# Altium PCB NG2093.PcbDoc (part 4 of 8)
Units mm, origin at the board's own origin, x right, y up, seen from the top; angles counter-clockwise.
Board outline 125 x 63 mm, 6 copper layers (Top Copper, Signal Layer 1, Signal Layer 2, Signal Layer 3, Signal Layer 4, Bottom Copper), stack 1.579 mm thick; 379 components, 295 nets, 1557 pads, 1142 vias.
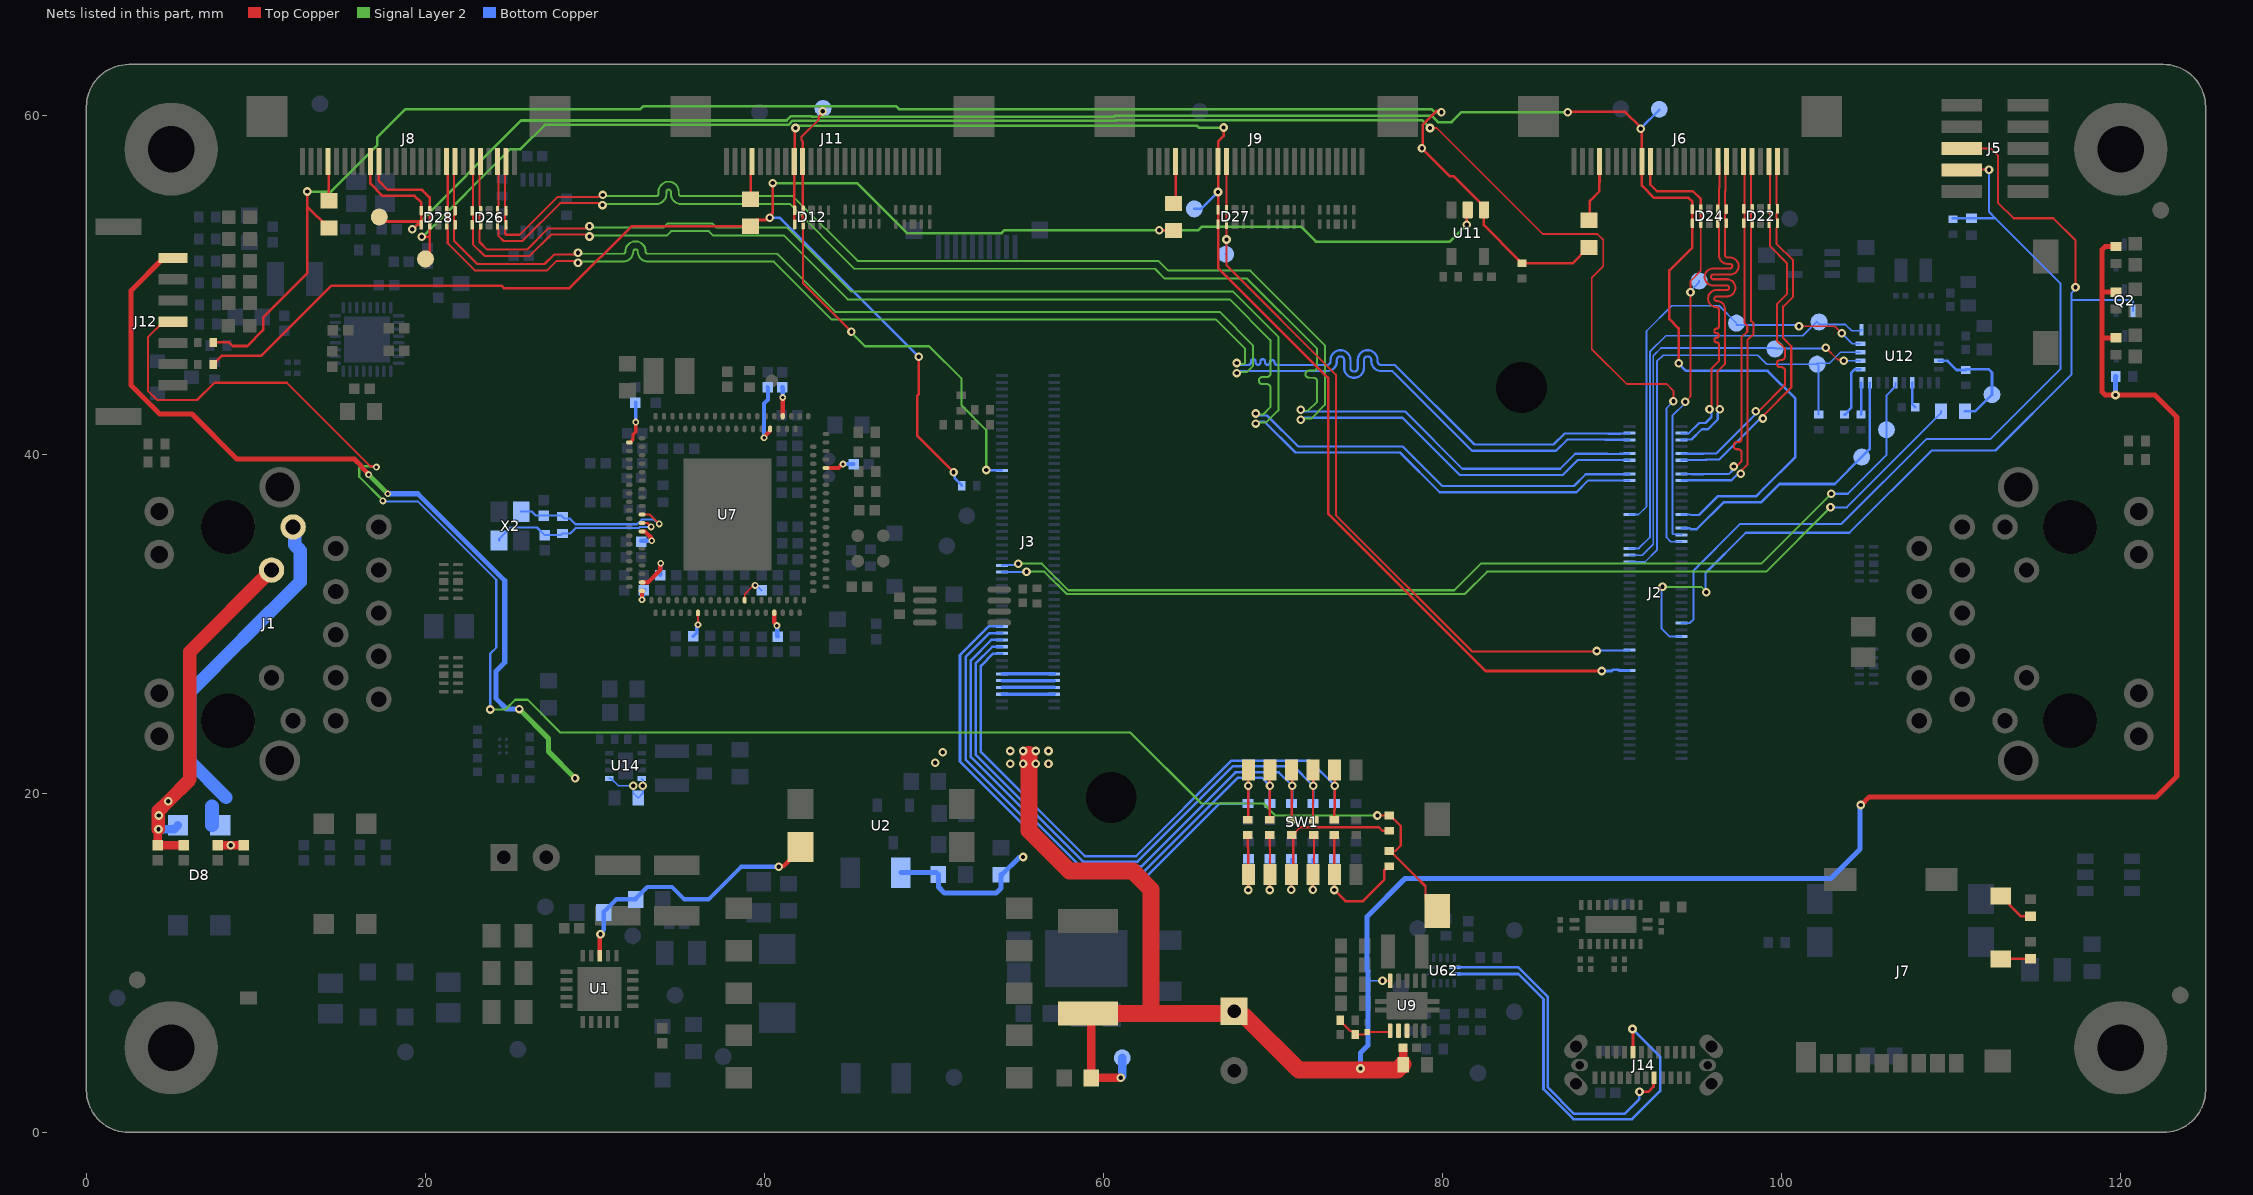
[diagram p8: the nets of this part, all layers, seen from the top]

## Via types
v1: diameter 0.508, hole 0.254, Top Copper to Bottom Copper, tented both sides, 835 vias
v2: diameter 0.406, hole 0.203, Top Copper to Bottom Copper, tented both sides, 150 vias
v3: diameter 0.406, hole 0.2, Top Copper to Bottom Copper, tented both sides, 76 vias
v4: diameter 0.254/0/0.254 (per signal layer), hole 0.102, Top Copper to Signal Layer 2, tented both sides, 51 vias
v5: diameter 0.5, hole 0.2, Top Copper to Bottom Copper, tented both sides, 24 vias
v6: diameter 0.406/0.406/0/0.406/0.406/0.406 (per signal layer), hole 0.2, Top Copper to Bottom Copper, tented both sides, 6 vias

## Nets (pads, with @x,y where several pads share a name; then routed paths per layer and width w, separated by ;. In a path a pad name is that pad's centre, name@x,y a point inside that pad or via, vN(x,y) a via of type N, cw(c..) or ccw(c..) an arc to the next point about the centre after c; other vN are vias at no path point) (continued)
5V_PoE: C7.1 C9.2 C26.2 C27.1 C28.1 C32.2 J3.5 J3.6 J3.7 J3.8 J3.9 J3.10 J3.11 J3.12 J12.1 L1.2 R14.2 R24.2 R53.2 R54.2 R55.2 R56.2 TP6.1 U9.2 U9.3 U9.10 U14.1 U14.8 | length 225.1
  Top Copper w0.102: v1(76.45,8.95) U9.10@76.9,8.95
  Top Copper w0.3: J12.1@5.1,51.575 4.55,51.575 2.625,49.65 2.625,44.075 4.325,42.375 6.225,42.375 8.875,39.725 15.8,39.725 16.205,39.32 16.205,39.273 16.65,38.829 v2(16.65,38.8) ; v1(104.658,19.314) 104.682,19.314 105.168,19.8 122.1,19.8 123.3,21 123.3,42.2 122,43.5 v1(119.684,43.5) 119.076,43.5 118.9,43.676 118.9,46.859 ; R55.2@119.725,46.881 119.703,46.859 118.9,46.859 ; R53.2@119.725,49.569 118.999,49.569 118.9,49.47 ; R56.2@119.725,52.256 119.076,52.256 118.9,52.08 118.9,49.47 ; 118.9,46.859 118.9,49.47
  Top Copper w0.5: L1.2@59.075,7.02 59.275,6.82 C9.2@59.275,3.225 v1(61.013,3.225) ; C28.1@77.675,4.025 C27.1@77.675,4.875
  Top Copper w1: 55.6,22.3 55.6,17.81 57.993,15.417 61.722,15.417 62.8,14.339 62.8,7.02 ; L1.2@59.075,7.02 62.8,7.02 ; C28.1@77.675,4.025 77.338,3.688 71.513,3.688 68.35,6.85 67.87,6.85 67.7,7.02 62.8,7.02
  Signal Layer 2 w0.3: v2(16.65,38.8) v2(17.775,37.675) ; v1(25.525,24.975) 27.256,23.244 27.256,22.469 v1(28.825,20.9)
  Bottom Copper w0.102: U14.1@30.85,20.875 30.96,20.875 31.385,20.45 v1(32.25,20.45) ; v1(32.25,20.45) 32.251,20.024 C32.2@32.55,19.725 32.825,20 v1(32.825,20.45) 32.825,20.8 U14.8@32.75,20.875 ; 75.644,8.95 v1(76.45,8.95)
  Bottom Copper w0.2: J3.6@54.01,25.85 J3.5@57.09,25.85 ; J3.8@54.01,26.25 J3.7@57.09,26.25 ; J3.10@54.01,26.65 J3.9@57.09,26.65 ; J3.12@54.01,27.05 J3.11@57.09,27.05
  Bottom Copper w0.3: v2(17.775,37.675) 19.55,37.675 24.675,32.55 24.675,27.725 24.169,27.219 24.169,25.591 24.785,24.975 v1(25.525,24.975) ; C26.2@48.048,15.325 50.148,15.325 R14.2@50.248,15.225 50.257,15.216 50.257,14.475 50.607,14.125 53.664,14.125 53.948,14.409 R24.2@53.948,15.2 53.998,15.2 55.008,16.21 55.21,16.21 v1(55.25,16.25) ; v1(75.15,3.775) 75.15,4.696 75.594,5.141 75.594,9.525 75.544,9.575 75.544,12.744 77.777,14.977 102.884,14.977 104.619,16.711 104.619,19.274 v1(104.658,19.314) ; v1(119.684,43.5) 119.692,43.508 119.692,44.592 R54.2@119.7,44.6
  Bottom Copper w0.5: v1(61.013,3.225) 61.013,3.227 61.1,3.314 TP6.1@61.1,4.4
  other v1: 54.5,21.75 55.25,21.75 56,21.75 56.75,21.75 50.069,21.803 50.509,22.42 54.5,22.5 55.25,22.5 56,22.5 56.75,22.5
2485_BOOT_SEL: B2.2 J12.4 R102.2 R103.2 | length 105.9
  Top Copper w0.127: R103.2@76.85,16.6 76.9,16.6 78.275,15.225 ; B2.2@79.675,13.075 78.988,13.762 78.988,14.512 ; 78.275,15.225 78.988,14.512 ; 78.275,15.225 78.3,15.225 78.988,14.537 78.988,14.512
  Top Copper w0.13: J12.4@5.1,47.825 4.55,47.825 3.625,46.9 3.625,43.75 4.175,43.2 6.525,43.2 7.55,44.225 11.823,44.225 16.745,39.303 17.047,39.303 v2(17.1,39.25) ; v1(76.15,18.7) R102.2@76.85,18.7 76.9,18.7 77.525,18.075 77.525,16.925 77.2,16.6 R103.2@76.9,16.6
  Signal Layer 2 w0.13: v2(17.1,39.25) 17.047,39.303 16.18,39.303 16.093,39.216 16.093,38.682 17.5,37.275 17.5,37.266 v2(17.484,37.25) ; v1(23.825,24.95) 24.725,24.95 25.3,25.525 26.025,25.525 27.954,23.596 61.579,23.596 65.775,19.4 69.425,19.4 70.125,18.7 v1(76.15,18.7)
  Bottom Copper w0.13: v2(17.484,37.25) 17.508,37.225 19.552,37.225 24.175,32.602 24.175,28.6 23.825,28.25 v1(23.825,24.95)
2485_PGOOD: J2.37 J5.5 Q2.1 | length 57
  Top Copper w0.12: J5.5@110.625,58.05 112.331,58.05 112.75,57.631 112.75,54.85 113.675,53.925 116.025,53.925 117.325,52.625 v1(117.325,49.853)
  Signal Layer 2 w0.12: v1(92.966,32.181) 95.242,32.181 95.547,31.876 v1(95.547,31.859)
  Bottom Copper w0.12: v1(92.966,32.181) 92.903,32.118 92.903,29.739 93.392,29.25 J2.37@94.09,29.25 ; v1@95.502,31.859 95.502,33.002 97.875,35.375 103.99,35.375 108.84,40.226 112.609,40.226 117.079,44.696 117.079,49.1 ; v1(117.325,49.853) 117.325,49.748 117.079,49.502 117.079,49.1 ; Q2.1@120.725,48.459 120.725,48.998 120.623,49.1 117.079,49.1
2485_WAKEUP: J2.41 J5.7 R1.2 R62.2 | length 47.9
  Top Copper w0.12: J5.7@110.625,56.78 110.64,56.795 v1(112.223,56.795)
  Bottom Copper w0.12: J2.41@94.09,30.05 94.571,30.05 94.8,30.279 94.8,33.146 97.552,35.898 103.523,35.898 108.525,40.9 112.3,40.9 116.453,45.053 116.453,50.074 112.602,53.925 ; R62.2@110.075,53.925 112.602,53.925 ; v1(112.223,56.795) 112.223,54.304 112.602,53.925
BNO08x_BOOTN_1V8: J3.42 R84.2 | length 60.5
  Signal Layer 2 w0.12: v1(55.448,33.083) 56.51,33.083 57.831,31.762 81.304,31.762 82.625,33.083 99.083,33.083 v1(102.875,36.875)
  Bottom Copper w0.12: J3.42@54.01,33.05 55.415,33.05 v1(55.448,33.083) ; v1(102.875,36.875) 103.832,36.875 109.403,42.445 R84.2@109.403,42.545
BNO08x_BOOTN_1V8_1: R83.1 R84.1 TP26.1 U12.4 | length 6.8
  Bottom Copper w0.152: U12.4@109.262,45.525 109.278,45.509 109.779,45.509 110.313,44.975 R83.1@110.85,44.975 110.9,45.025 112.2,45.025 112.4,44.825 TP26.1@112.4,43.525 111.42,42.545 R84.1@110.803,42.545
BNO08x_CIPO_1V8: J2.64 TP28.1 U12.20 | length 25.9
  Bottom Copper w0.102: J2.64@91.01,34.45 91.575,34.45 92.222,35.097 92.222,46.049 93.17,46.997 101.234,46.997 102.067,47.831 102.244,47.654 103.762,47.654 104.128,47.288 104.626,47.288 104.675,47.337 U12.20@104.7,47.337
BNO08x_COPI_1V8: J2.62 TP29.1 U12.17 | length 25.6
  Top Copper w0.102: v1(102.591,46.284) 103.284,45.591 103.581,45.591 v1(103.659,45.513)
  Bottom Copper w0.102: J2.62@91.01,34.05 91.78,34.05 92.425,34.695 92.425,45.825 92.875,46.275 99.6,46.275 99.626,46.249 102.557,46.249 v1(102.591,46.284) ; v1(103.659,45.513) 103.665,45.519 104.631,45.519 U12.17@104.637,45.525
BNO08x_CS_1V8: J2.60 R95.2 TP30.1 U12.18 | length 28.7
  Bottom Copper w0.102: J2.60@91.01,33.65 91.936,33.65 92.635,34.349 92.635,45.485 93,45.85 98.577,45.85 99.107,45.32 TP30.1@102.085,45.32 ; TP30.1@102.085,45.375 102.815,45.375 103.465,46.025 U12.18@104.637,46.025
  Bottom Copper w0.127: TP30.1@102.085,45.32 102.175,45.23 R95.2@102.175,42.35
BNO08x_INT_1V8: J2.69 TP25.1 U12.14 | length 17
  Bottom Copper w0.152: J2.69@94.09,35.65 94.104,35.636 94.571,35.636 94.621,35.586 94.986,35.586 96.582,37.182 98.797,37.182 99.866,38.25 103.125,38.25 TP25.1@104.715,39.84 105.155,40.28 105.2,40.325 U12.14@105.2,44.212
BNO08x_RSTn_1V8: J3.44 TP19.1 U12.11 | length 60.6
  Signal Layer 2 w0.12: v1(54.958,33.549) 56.358,33.549 57.923,31.984 80.684,31.984 82.249,33.549 98.799,33.549 v1(102.925,37.675)
  Bottom Copper w0.12: J3.44@54.01,33.45 54.04,33.48 54.889,33.48 v1(54.958,33.549) ; v1(102.925,37.675) 103.903,37.675 106.175,39.947 TP19.1@106.175,41.45 106.166,41.459 106.166,43.466 106.7,44 U12.11@106.7,44.212
BNO08x_SCK_1V8: J2.74 TP27.1 U12.19 | length 25.7
  Top Copper w0.102: v1(101.015,47.554) 103.123,47.554 v1(103.541,47.136)
  Bottom Copper w0.102: J2.74@91.01,36.45 91.55,36.45 92.019,36.919 92.019,47.278 93.501,48.761 96.306,48.761 TP27.1@97.328,47.738 ; TP27.1@97.328,47.632 100.937,47.632 v1(101.015,47.554) ; v1(103.541,47.136) 104.152,46.525 U12.19@104.637,46.525
BOOT0: J3.26 R23.1 R38.2 SW1.6 | length 35
  Top Copper w0.127: R38.2@68.5,18.45 68.535,18.485 v1(68.535,20.45)
  Top Copper w0.15: v1(68.535,20.45) SW1.6@68.535,21.375
  Bottom Copper w0.15: J3.26@54.01,29.85 53.222,29.85 51.528,28.156 51.528,21.882 58.285,15.125 62.551,15.125 66.826,19.4 R23.1@68.525,19.4 68.535,19.41 v1(68.535,20.45)
BOOT0_PU: R16.1 R38.1 SW1.7 | length 5.1
  Top Copper w0.127: R38.1@68.5,17.55 68.5,16.826 68.535,16.791 SW1.7@68.535,15.225
  Top Copper w0.152: SW1.7@68.535,15.225 68.536,15.224 v1(68.536,14.301)
  Bottom Copper w0.152: R16.1@68.535,16.125 68.535,14.302 v1(68.536,14.301) v1(68.536,14.301)
BOOT1: J3.24 R22.1 R37.2 SW1.5 | length 35.9
  Top Copper w0.127: R37.2@69.8,18.45 69.8,20.44 v1(69.81,20.45)
  Top Copper w0.152: SW1.5@69.805,21.375 69.81,21.37 v1(69.81,20.45)
  Bottom Copper w0.152: J3.24@54.01,29.45 53.265,29.45 51.861,28.046 51.861,22.002 58.447,15.417 62.409,15.417 67.925,20.932 69.328,20.932 v1(69.81,20.45) 69.81,19.41 R22.1@69.8,19.4
BOOT1_PU: R37.1 R61.1 SW1.8 | length 5.1
  Top Copper w0.127: R37.1@69.8,17.55 69.8,16.897 69.805,16.892 SW1.8@69.805,15.225
  Top Copper w0.152: v1(69.805,14.3) SW1.8@69.805,15.225
  Bottom Copper w0.152: v1(69.805,14.3) R61.1@69.805,16.125
BOOT2: J3.22 R21.1 R36.2 SW1.4 | length 36.3
  Top Copper w0.127: R36.2@71.1,18.45 71.1,20.425 v1(71.125,20.45)
  Top Copper w0.15: SW1.4@71.075,21.375 71.125,21.325 v1(71.125,20.45)
  Bottom Copper w0.15: J3.22@54.01,29.05 53.371,29.05 52.169,27.847 52.169,22.148 58.628,15.689 62.224,15.689 67.78,21.245 70.33,21.245 v1(71.125,20.45) 71.125,19.45 R21.1@71.075,19.4
BOOT2_PU: R36.1 R60.1 R102.1 SW1.9 | length 11.2
  Top Copper w0.127: SW1.9@71.075,15.225 71.185,15.335 71.185,17.465 R36.1@71.1,17.55 71.15,17.55 71.6,18 76.24,18 76.44,17.8 R102.1@76.85,17.8
  Top Copper w0.152: v1(71.075,14.311) SW1.9@71.075,15.225
  Bottom Copper w0.152: v1(71.075,14.311) R60.1@71.075,16.125
BOOT3: J3.20 R20.1 R35.2 SW1.3 | length 36.7
  Top Copper w0.127: v1(72.36,20.45) 72.36,18.49 R35.2@72.4,18.45
  Top Copper w0.15: SW1.3@72.345,21.375 72.36,21.36 v1(72.36,20.45)
  Bottom Copper w0.15: J3.20@54.01,28.65 53.436,28.65 52.45,27.664 52.45,22.297 58.774,15.974 62.01,15.974 67.641,21.604 71.206,21.604 v1(72.36,20.45) 72.36,19.41 R20.1@72.35,19.4
BOOT3_PU: R7.1 R35.1 SW1.10 | length 5.1
  Top Copper w0.127: SW1.10@72.345,15.225 72.4,15.28 R35.1@72.4,17.55
  Top Copper w0.152: v1(72.345,14.309) SW1.10@72.345,15.225
  Bottom Copper w0.152: R7.1@72.345,16.125 v1(72.345,14.309) v1@72.354,14.3
BOOT4: J3.18 R19.1 R34.2 SW1.2 | length 37
  Top Copper w0.127: R34.2@73.6,18.45 73.6,19.002 73.635,19.037 v1(73.635,20.45)
  Top Copper w0.15: SW1.2@73.615,21.375 73.635,21.355 v1(73.635,20.45)
  Bottom Copper w0.15: J3.18@54.01,28.25 53.485,28.25 52.758,27.523 52.758,22.436 58.902,16.292 61.913,16.292 67.55,21.929 72.156,21.929 v1(73.635,20.45) 73.635,19.41 R19.1@73.625,19.4
BOOT4_PU: R9.1 R34.1 R103.1 SW1.11 | length 9.7
  Top Copper w0.127: SW1.11@73.6,15.24 R34.1@73.6,17.55 ; v1(73.609,14.3) 73.609,15.219 SW1.11@73.615,15.225
  Top Copper w0.152: v1(73.609,14.3) 74.259,13.65 75.3,13.65 76.562,14.912 76.562,15.462 R103.1@76.8,15.7
  Bottom Copper w0.152: v1(73.609,14.3) 73.615,14.306 R9.1@73.615,16.125
CAM2_RST: D12.4 D12.7 J3.72 J11.17 TP16.1 | length 29.3
  Top Copper w0.127: J11.17@42.25,57.275 42.25,58.45 42.175,58.525 42.175,58.725 43.193,59.743 43.193,59.894 43.425,60.126 v1(43.425,60.229)
  Top Copper w0.13: J11.17@42.25,57.275 42.25,53.582 D12.7@42.275,53.558 42.275,50.075 v1(45.125,47.225)
  Signal Layer 2 w0.13: v1(45.125,47.225) 45.125,47.175 45.925,46.375 49.7,46.375 51.625,44.45 51.625,42.875 53.075,41.425 v1(53.075,39.075)
  Bottom Copper w0.13: v1(53.075,39.075) 53.087,39.062 53.998,39.062 J3.72@54.01,39.05
CAM_A_CLK_OUT: D12.5 D12.6 D27.5 D27.6 J2.28 J9.18 J11.18 TP32.1 | length 80.1
  Top Copper w0.152: D12.6@41.775,53.558 41.75,53.582 J11.18@41.75,57.275 41.788,57.312 41.788,59.213 v1(41.825,59.25) ; v1(67.075,59.275) 67.075,58.775 66.75,58.45 J9.18@66.75,57.275 v1(66.75,55.475) D27.6@66.75,53.583 66.75,51 73.24,44.51 73.24,36.52 82.539,27.222 v1(89.382,27.222)
  Signal Layer 2 w0.152: v1(41.825,59.25) 41.95,59.375 65.514,59.375 65.614,59.275 v1(67.075,59.275)
  Bottom Copper w0.152: TP32.1@65.35,54.475 65.75,54.475 v1(66.75,55.475) ; v1(89.382,27.222) 89.961,27.222 90.021,27.282 90.379,27.282 90.411,27.25 J2.28@91.01,27.25
CAM_A_PWDN_N: D27.4 D27.7 J2.34 J9.17 TP37.1 | length 45.1
  Top Copper w0.127: J9.17@67.25,57.275 D27.4@67.25,54.418 D27.7@67.25,53.583 v1(67.25,52.675) 67.25,51.15 73.7,44.7 73.7,36.402 81.725,28.376 89.058,28.376 v1(89.08,28.398)
  Bottom Copper w0.127: TP37.1@67.2,51.8 67.25,51.85 v1(67.25,52.675) ; v1(89.08,28.398) 89.106,28.424 90.984,28.424 J2.34@91.01,28.45
CAM_B_CLK_OUT: D24.5 D24.6 D28.5 D28.6 J2.73 J6.18 J8.18 TP33.1 TP34.1 | length 123.4
  Top Copper w0.152: J8.18@16.75,57.275 16.75,55.975 17.475,55.25 19.357,55.25 19.755,54.852 19.755,53.54 19.513,53.54 19.248,53.275 v1(19.225,53.275) ; TP33.1@17.275,54 17.54,53.735 19.726,53.735 19.75,53.711 D28.6@19.75,53.62 ; v1(87.377,60.179) 87.399,60.201 90.753,60.201 v1@91.714,59.239 ; v1@91.75,59.2 J6.18@91.75,57.275 91.75,55.85 92.475,55.125 94.508,55.125 94.725,54.908 D24.5@94.725,54.468 D24.6@94.725,53.633 94.725,52.2 93.375,50.85 93.375,47.975 93.915,47.435 v1(93.915,45.37)
  Signal Layer 2 w0.152: v1(19.225,53.275) 25.643,59.693 41.298,59.693 41.541,59.936 42.774,59.936 42.792,59.918 60.613,59.918 60.656,59.961 79.364,59.961 79.725,59.6 80.525,59.6 81.104,60.179 v1(87.377,60.179)
  Bottom Copper w0.102: J2.73@94.09,36.45 94.608,36.45 94.632,36.427 95.127,36.427
  Bottom Copper w0.15: 95.127,36.427 96.222,37.522 98.468,37.522 98.908,37.962
  Bottom Copper w0.152: v1(91.675,59.2) 91.675,59.225 TP34.1@92.775,60.325 ; v1(93.915,45.37) 94.36,44.925 99.163,44.925 100.799,43.289 100.799,39.853 98.908,37.962
CAM_B_D_PWM: D28.4 D28.7 J2.65 J8.17 TP36.1 | length 106.6
  Top Copper w0.102: v1(79.25,59.25) 79.65,59.25 85.9,53 89.125,53 89.475,52.65 89.475,51.1 88.8,50.425 88.8,46.2 90.854,44.146 93.206,44.146 93.61,43.742 v1(93.61,43.125)
  Top Copper w0.152: J8.17@17.25,57.275 17.25,56.125 17.775,55.6 19.8,55.6 20.25,55.15 D28.4@20.25,54.369 D28.7@20.25,53.534 20.25,52.825 ; v1(19.774,52.83) 20.245,52.83 20.25,52.825 ; TP36.1@20,51.525 20.25,51.775 20.25,52.825
  Signal Layer 2 w0.152: v1(19.774,52.83) 19.83,52.83 25,58 25.611,58 27.05,59.439 41.404,59.439 41.646,59.682 42.669,59.682 42.686,59.664 60.719,59.664 60.761,59.707 78.793,59.707 v1(79.25,59.25)
  Bottom Copper w0.102: v1(93.61,43.125) 93.2,42.716 93.2,35.1 93.45,34.85 J2.65@94.09,34.85
CAM_B_PWDN_N: D24.4 D24.7 J2.67 J6.17 TP35.1 | length 26.5
  Top Copper w0.102: v1(94.305,43.1) 94.618,43.413 v1(94.618,49.568) 94.618,50.218 95.225,50.825 D24.7@95.225,53.633
  Top Copper w0.15: J6.17@92.25,57.275 92.25,55.9 92.625,55.525 94.75,55.525 95.225,55.05 D24.4@95.225,54.468 D24.7@95.225,53.633
  Bottom Copper w0.102: J2.67@94.09,35.25 94.051,35.289 93.61,35.289 93.55,35.349 93.55,42.275 94.305,43.03 v1(94.305,43.1) ; v1(94.618,49.568) 94.618,49.643 95.125,50.15 TP35.1@95.125,50.225
CAM_L_C_N: D24.1 D24.10 J2.95 J6.8 | length 22.6
  Top Copper w0.12: v1(96.335,42.656) 96.335,42.761 96.222,42.875 96.222,44.906 96.66,45.344 96.66,47.95 96.66,48.543 ccw(c96.155,48.543) 96.155,49.048 cw(c96.155,49.183) 96.155,49.318 96.758,49.318 ccw(c96.758,49.823) 96.758,50.328 95.958,50.328 cw(c95.958,50.463) 95.958,50.598 96.946,50.598 ccw(c96.946,51.103) 96.946,51.608 96.795,51.608 cw(c96.795,51.743) 96.66,51.743 96.66,51.988 96.66,53.34 96.685,53.365 96.685,53.593 D24.10@96.725,53.633 96.685,53.673 96.685,53.9 96.66,53.925 96.66,54.175 96.685,54.2 96.685,54.428 D24.1@96.725,54.468 96.685,54.508 96.685,54.735 96.66,54.76 96.66,55.533 96.685,55.558 96.685,57.21 J6.8@96.75,57.275
  Bottom Copper w0.13: J2.95@94.09,40.85 94.11,40.87 94.674,40.87 95.287,41.483 95.648,41.483 96.22,42.056 96.22,42.438 96.335,42.554 v1(96.335,42.656)
CAM_L_C_P: D24.2 D24.9 J2.97 J6.9 | length 22.6
  Top Copper w0.12: v1(95.738,42.656) 95.738,42.761 95.852,42.875 95.852,45.059 96.29,45.497 96.29,46.409 96.29,46.469 ccw(c96.155,46.469) 96.155,46.604 cw(c96.155,46.739) 96.02,46.739 cw(c96.155,46.739) 96.155,46.874 ccw(c96.155,47.009) 96.29,47.009 ccw(c96.155,47.009) 96.155,47.144 cw(c96.155,47.279) 96.02,47.279 cw(c96.155,47.279) 96.155,47.414 ccw(c96.155,47.549) 96.29,47.549 96.29,47.799 96.29,47.95 96.29,48.543 ccw(c96.155,48.543) 96.155,48.678 cw(c96.155,49.183) 96.155,49.688 96.758,49.688 ccw(c96.758,49.823) 96.758,49.958 95.958,49.958 cw(c95.958,50.463) 95.958,50.968 96.946,50.968 ccw(c96.946,51.103) 96.946,51.238 96.795,51.238 cw(c96.795,51.743) 96.29,51.743 96.29,51.988 96.29,53.34 96.265,53.365 96.265,53.593 D24.9@96.225,53.633 96.265,53.673 96.265,53.9 96.29,53.925 96.29,54.175 96.265,54.2 96.265,54.428 D24.2@96.225,54.468 96.265,54.508 96.265,54.735 96.29,54.76 96.29,55.686 96.315,55.711 96.315,57.21 J6.9@96.25,57.275
  Bottom Copper w0.13: J2.97@94.09,41.25 94.104,41.236 94.522,41.236 95.136,41.849 95.496,41.849 95.854,42.207 95.854,42.438 95.738,42.554 v1(95.738,42.656)
CAM_L_D0_N: D22.1 D22.10 J2.89 J6.2 | length 22.7
  Top Copper w0.12: v1(98.888,42.111) 98.962,42.185 98.962,42.346 100.56,43.944 100.56,46.384 100.08,46.864 100.08,48.708 100.672,49.3 100.672,51.44 99.685,52.428 99.685,53.347 99.71,53.372 99.71,53.6 D22.10@99.75,53.64 99.71,53.68 99.71,53.908 99.685,53.933 99.685,54.182 99.71,54.207 99.71,54.435 D22.1@99.75,54.475 99.71,54.515 99.71,54.743 99.685,54.768 99.685,55.486 99.685,57.21 J6.2@99.75,57.275
  Bottom Copper w0.13: J2.89@94.09,39.65 94.107,39.667 94.671,39.667 94.675,39.671 95.528,39.671 95.548,39.691 96.304,39.691 98.652,42.039 98.816,42.039 v1(98.888,42.111)
CAM_L_D0_P: D22.2 D22.9 J2.91 J6.3 | length 22.7
  Top Copper w0.12: v1(98.466,42.533) 98.54,42.607 98.701,42.607 100.19,44.097 100.19,44.107 100.19,44.929 ccw(c99.98,44.929) 99.98,45.139 99.918,45.139 cw(c99.918,45.349) 99.918,45.559 99.98,45.559 ccw(c99.98,45.769) 100.19,45.769 100.19,46.231 100.173,46.249 99.71,46.711 99.71,48.861 100.302,49.453 100.302,51.287 99.315,52.274 99.315,53.347 99.29,53.372 99.29,53.6 D22.9@99.25,53.64 99.29,53.68 99.29,53.908 99.315,53.933 99.315,54.182 99.29,54.207 99.29,54.435 D22.2@99.25,54.475 99.29,54.515 99.29,54.743 99.315,54.768 99.315,55.332 99.315,57.21 J6.3@99.25,57.275
  Bottom Copper w0.13: J2.91@94.09,40.05 94.107,40.033 94.671,40.033 94.675,40.029 95.369,40.029 95.397,40.057 96.153,40.057 98.394,42.298 98.394,42.461 v1(98.466,42.533)
CAM_L_D1_N: D22.4 D22.7 J2.83 J6.5 | length 22.6
  Top Copper w0.12: v1(97.585,38.858) 97.659,38.933 97.659,39.093 97.992,39.425 97.992,46.747 98.334,47.089 98.334,47.741 98.225,47.85 98.185,47.89 98.185,53.347 98.21,53.372 98.21,53.6 D22.7@98.25,53.64 98.21,53.68 98.21,53.908 98.185,53.933 98.185,54.182 98.21,54.207 98.21,54.435 D22.4@98.25,54.475 98.21,54.515 98.21,54.743 98.185,54.768 98.185,55.486 98.185,57.21 J6.5@98.25,57.275
  Bottom Copper w0.13: J2.83@94.09,38.45 94.107,38.467 94.671,38.467 94.675,38.471 95.024,38.471 95.028,38.467 97.031,38.467 97.35,38.786 97.513,38.786 v1(97.585,38.858)
CAM_L_D1_P: D22.5 D22.6 J2.85 J6.6 | length 22.6
  Top Copper w0.12: v1(97.163,39.28) 97.237,39.355 97.398,39.355 97.521,39.478 97.622,39.579 97.622,40.132 ccw(c97.454,40.132) 97.454,40.3 97.342,40.3 cw(c97.342,40.468) 97.174,40.468 97.174,40.552 cw(c97.342,40.552) 97.342,40.72 97.454,40.72 ccw(c97.454,40.888) 97.622,40.888 97.622,41.368 97.622,46.9 97.964,47.242 97.964,47.588 97.815,47.737 97.815,53.347 97.79,53.372 97.79,53.6 D22.6@97.75,53.64 97.79,53.68 97.79,53.908 97.815,53.933 97.815,54.182 97.79,54.207 97.79,54.435 D22.5@97.75,54.475 97.79,54.515 97.79,54.743 97.815,54.768 97.815,55.332 97.815,57.21 J6.6@97.75,57.275
  Bottom Copper w0.13: J2.85@94.09,38.85 94.107,38.833 94.671,38.833 94.675,38.829 95.369,38.829 95.373,38.833 96.879,38.833 97.091,39.045 97.091,39.208 v1(97.163,39.28)
CAM_R_C_N: D28.1 D28.10 J2.96 J8.8 | length 86.6
  Top Copper w0.12: J8.8@21.75,57.275 21.685,57.21 21.685,55.433 21.685,54.662 21.71,54.637 21.71,54.409 D28.1@21.75,54.369 21.71,54.329 21.71,54.102 21.685,54.077 21.685,53.827 21.71,53.802 21.71,53.574 D28.10@21.75,53.534 21.71,53.494 21.71,53.267 21.685,53.242 21.685,52.597 23.057,51.225 27.021,51.225 27.58,51.784 28.782,51.784 28.895,51.897 v1(29,51.897)
  Signal Layer 2 w0.115: v1(29,51.897) 29.066,51.831 31.369,51.831 31.659,51.831 ccw(c31.659,51.964) 31.791,51.964 cw(c32.389,51.964) 32.986,51.964 ccw(c33.119,51.964) 33.119,51.831 35.222,51.831 40.742,51.831 44.167,48.406 66.836,48.406 68.809,46.434 68.809,45.198 68.469,44.859 67.916,44.859 v1(67.85,44.793)
  Bottom Copper w0.13: v1(67.85,44.793) 67.952,44.793 68.068,44.908 69.15,44.908 72.925,44.908 73.173,44.908 ccw(c73.173,45.491) 73.756,45.491 73.756,45.561 cw(c73.973,45.561) 73.973,45.778 cw(c73.973,45.561) 74.19,45.561 74.19,45.097 ccw(c74.773,45.097) 74.773,44.514 ccw(c74.773,45.097) 75.356,45.097 75.356,45.561 cw(c75.573,45.561) 75.573,45.778 cw(c75.573,45.561) 75.79,45.561 75.79,45.491 ccw(c76.373,45.491) 76.373,44.908 77.028,44.908 77.25,44.687 81.727,40.209 86.688,40.209 87.346,40.867 89.576,40.867 89.58,40.863 90.997,40.863 J2.96@91.01,40.85
CAM_R_C_P: D28.2 D28.9 J2.98 J8.9 | length 86.9
  Top Copper w0.12: J8.9@21.25,57.275 21.315,57.21 21.315,55.28 21.315,54.662 21.29,54.637 21.29,54.409 D28.2@21.25,54.369 21.29,54.329 21.29,54.102 21.315,54.077 21.315,53.827 21.29,53.802 21.29,53.574 D28.9@21.25,53.534 21.29,53.494 21.29,53.267 21.315,53.242 21.315,52.444 22.904,50.855 27.174,50.855 27.733,51.414 28.782,51.414 28.895,51.3 v1(29,51.3)
  Signal Layer 2 w0.115: v1(29,51.3) 29.066,51.366 31.369,51.366 31.659,51.366 ccw(c31.659,51.964) 32.256,51.964 cw(c32.389,51.964) 32.521,51.964 ccw(c33.119,51.964) 33.119,51.366 35.222,51.366 40.549,51.366 43.974,47.941 66.644,47.941 68.344,46.241 68.344,45.391 68.277,45.324 67.916,45.324 v1(67.85,45.39)
  Bottom Copper w0.13: v1(67.85,45.39) 67.952,45.39 68.068,45.274 68.482,45.274 68.547,45.274 ccw(c68.547,45.414) 68.687,45.414 68.687,45.474 cw(c68.827,45.474) 68.967,45.474 68.967,45.414 ccw(c69.107,45.414) 69.247,45.414 69.247,45.474 cw(c69.387,45.474) 69.527,45.474 69.527,45.414 ccw(c69.667,45.414) 69.807,45.414 69.807,45.422 cw(c69.947,45.422) 70.087,45.422 70.087,45.414 ccw(c70.227,45.414) 70.227,45.274 70.554,45.274 70.619,45.274 72.925,45.274 73.173,45.274 ccw(c73.173,45.491) 73.39,45.491 73.39,45.561 cw(c73.973,45.561) 73.973,46.144 cw(c73.973,45.561) 74.556,45.561 74.556,45.097 ccw(c74.773,45.097) 74.773,44.88 ccw(c74.773,45.097) 74.99,45.097 74.99,45.561 cw(c75.573,45.561) 75.573,46.144 cw(c75.573,45.561) 76.156,45.561 76.156,45.491 ccw(c76.373,45.491) 76.373,45.274 77.18,45.274 77.25,45.204 81.879,40.575 86.537,40.575 87.194,41.233 87.975,41.233 89.727,41.233 89.748,41.212 90.4,41.212 90.474,41.212 90.491,41.229 90.989,41.229 J2.98@91.01,41.25
CAM_R_D0_N: D26.1 D26.10 J2.90 J8.2 | length 85
  Top Copper w0.12: J8.2@24.75,57.275 24.685,57.21 24.685,55.436 24.685,54.668 24.71,54.643 24.71,54.415 D26.1@24.75,54.375 24.71,54.335 24.71,54.107 24.685,54.082 24.685,53.833 24.71,53.808 24.71,53.58 D26.10@24.75,53.54 24.71,53.5 24.71,53.272 24.685,53.247 24.685,53.023 24.755,52.952 25.559,52.952 27.793,55.187 30.232,55.187 30.345,55.3 v1(30.45,55.3)
  Signal Layer 2 w0.115: v1(30.45,55.3) 30.516,55.234 33.323,55.234 33.613,55.234 ccw(c33.613,55.367) 33.746,55.367 33.746,55.483 cw(c34.343,55.483) 34.941,55.483 34.941,55.367 ccw(c35.073,55.367) 35.073,55.234 37.4,55.234 41.67,55.234 45.493,51.412 63.223,51.412 63.801,50.834 68.651,50.834 73.056,46.429 73.056,42.914 72.247,42.105 71.694,42.105 v1(71.628,42.039)
  Bottom Copper w0.13: v1(71.628,42.039) 71.73,42.039 71.846,42.155 72.305,42.155 75.848,42.155 77.632,42.155 81.008,38.778 87.082,38.778 87.971,39.667 90.097,39.667 90.101,39.671 90.449,39.671 90.453,39.667 90.993,39.667 J2.90@91.01,39.65
CAM_R_D0_P: D26.2 D26.9 J2.92 J8.3 | length 85.1
  Top Copper w0.12: J8.3@24.25,57.275 24.315,57.21 24.315,55.283 24.315,54.668 24.29,54.643 24.29,54.415 D26.2@24.25,54.375 24.29,54.335 24.29,54.107 24.315,54.082 24.315,53.833 24.29,53.808 24.29,53.58 D26.9@24.25,53.54 24.29,53.5 24.29,53.272 24.315,53.247 24.315,52.869 24.602,52.582 25.712,52.582 27.946,54.817 30.226,54.817 30.339,54.703 v1(30.444,54.703)
  Signal Layer 2 w0.115: v1(30.444,54.703) 30.51,54.769 33.323,54.769 33.613,54.769 ccw(c33.613,55.367) 34.211,55.367 34.211,55.483 cw(c34.343,55.483) 34.476,55.483 34.476,55.367 ccw(c35.073,55.367) 35.073,54.769 37.4,54.769 41.478,54.769 45.3,50.947 63.03,50.947 63.608,50.369 68.458,50.369 72.591,46.236 72.591,45.622 72.591,45.145 cw(c72.382,45.145) 72.382,44.936 72.117,44.936 ccw(c72.117,44.726) 71.907,44.726 ccw(c72.117,44.726) 72.117,44.517 72.382,44.517 cw(c72.382,44.307) 72.591,44.307 72.591,43.6 72.591,43.107 72.054,42.57 71.694,42.57 v1(71.628,42.636)
  Bottom Copper w0.13: v1(71.628,42.636) 71.73,42.636 71.846,42.521 72.305,42.521 75.848,42.521 77.784,42.521 81.16,39.144 86.931,39.144 87.819,40.033 89.727,40.033 89.74,40.021 90.433,40.021 90.445,40.033 90.993,40.033 J2.92@91.01,40.05
CAM_R_D1_N: D26.4 D26.7 J2.84 J8.5 | length 85.8
  Top Copper w0.12: J8.5@23.25,57.275 23.185,57.21 23.185,55.436 23.185,54.668 23.21,54.643 23.21,54.415 D26.4@23.25,54.375 23.21,54.335 23.21,54.107 23.185,54.082 23.185,53.833 23.21,53.808 23.21,53.58 D26.7@23.25,53.54 23.21,53.5 23.21,53.272 23.185,53.247 23.185,52.522 23.634,52.073 25.991,52.073 27.252,53.334 29.457,53.334 29.57,53.447 v1(29.675,53.447)
  Signal Layer 2 w0.115: v1(29.675,53.447) 29.741,53.381 34.056,53.381 34.3,53.625 36.903,53.625 37.147,53.381 41.317,53.381 45.092,49.606 67.629,49.606 70.306,46.929 70.306,42.592 69.594,41.88 69.041,41.88 v1(68.975,41.814)
  Bottom Copper w0.13: v1(68.975,41.814) 69.077,41.814 69.193,41.93 69.491,41.93 71.316,40.105 77.482,40.105 79.82,37.766 87.895,37.766 88.592,38.463 90.997,38.463 J2.84@91.01,38.45
CAM_R_D1_P: D26.5 D26.6 J2.86 J8.6 | length 85.8
  Top Copper w0.12: J8.6@22.75,57.275 22.815,57.21 22.815,55.283 22.815,54.668 22.79,54.643 22.79,54.415 D26.5@22.75,54.375 22.79,54.335 22.79,54.107 22.815,54.082 22.815,53.833 22.79,53.808 22.79,53.58 D26.6@22.75,53.54 22.79,53.5 22.79,53.272 22.815,53.247 22.815,52.369 23.481,51.703 26.144,51.703 27.405,52.964 29.457,52.964 29.57,52.85 v1(29.675,52.85)
  Signal Layer 2 w0.115: v1(29.675,52.85) 29.741,52.916 34.249,52.916 34.493,53.16 36.711,53.16 36.955,52.916 41.124,52.916 44.899,49.141 67.436,49.141 69.841,46.736 69.841,45.247 69.841,44.77 cw(c69.632,44.77) 69.632,44.561 69.364,44.561 ccw(c69.364,44.351) 69.154,44.351 ccw(c69.364,44.351) 69.364,44.142 69.632,44.142 cw(c69.632,43.932) 69.841,43.932 69.841,43.15 69.841,42.785 69.401,42.345 69.041,42.345 v1(68.975,42.411)
  Bottom Copper w0.13: v1(68.975,42.411) 69.077,42.411 69.193,42.296 69.643,42.296 71.468,40.47 77.634,40.47 79.972,38.132 87.744,38.132 88.441,38.829 90.989,38.829 J2.86@91.01,38.85
CAP: C94.1 U12.9 | length 1.5
  Bottom Copper w0.152: U12.9@107.7,44.212 107.7,42.95 C94.1@107.875,42.775
CC1: J14.A5 U62.1 | length 19.9
  Top Copper w0.152: v1(91.606,2.399) 92.13,2.399 92.436,2.704 92.436,3.181 J14.A5@92.475,3.22
  Bottom Copper w0.152: U62.1@80.724,9.75 84.45,9.75 86.2,8 86.2,2.659 87.759,1.1 90.736,1.1 91.606,1.97 v1(91.606,2.399)
CC2: J14.B5 U62.2 | length 25.2
  Top Copper w0.152: v1(91.198,6.1) 91.198,5.986 91.225,5.96 J14.B5@91.225,4.73
  Bottom Copper w0.152: U62.2@80.724,9.35 84.471,9.35 85.946,7.875 85.946,2.554 87.71,0.79 91.18,0.79 92.825,2.435 92.825,4.474 v1(91.198,6.1)
CD_SW1: J7.9 R66.1 | length 1.8
  Top Copper w0.152: J7.9@112.923,10.238 114.663,10.238 R66.1@114.676,10.25
CD_SW2: J7.10 R67.2 | length 2.3
  Top Copper w0.152: J7.10@112.923,13.938 113.023,13.938 113.446,13.514 113.446,13.426 114.122,12.75 R67.2@114.676,12.75
COM_AUX_IO2: R79.1 R80.1 R82.1 R100.1 U11.1 | length 100.5
  Top Copper w0.152: R100.1@7.475,46.6 8.42,46.6 8.633,46.388 9.489,46.388 10.426,47.324 10.426,48.076 13.025,50.675 13.025,54.625 ; v1(13.025,55.5) 13.025,54.625 ; R80.1@14.3,53.35 13.025,54.625 ; v1(79.925,60.179) 79.857,60.247 79.643,60.247 79.639,60.25 78.818,59.429 78.818,58.093 v1(78.775,58.05) 80.434,56.391 80.661,56.391 82.427,54.625 U11.1@82.427,54.425 82.427,53.517 84.476,51.469 84.476,51.419 84.625,51.27 R82.1@84.675,51.27 87.645,51.27 88.575,52.2 R79.1@88.625,52.2
  Signal Layer 2 w0.152: v1(13.025,55.5) 14.425,55.5 17.15,58.225 17.15,58.675 18.832,60.357 32.678,60.357 32.855,60.534 47.746,60.534 47.924,60.357 79.328,60.357 79.505,60.179 v1(79.925,60.179)
CT1: C12.1 C13.1 D8.2 J1.11 | length 22.4
  Top Copper w0.5: C12.1@7.75,16.95 v1(8.52,16.95) C13.1@9.29,16.95
  Bottom Copper w0.762: 8.25,19.75 6.124,21.876 6.124,25.999 9.211,29.086
  Bottom Copper w0.8: D8.2@7.408,18.117 7.408,19.231 ; 9.211,29.086 12.616,32.491 12.616,34.324 12.286,34.654 12.286,35.618 J1.11@12.189,35.715
CT2: C10.1 C14.1 D8.3 J1.12 | length 21.8
  Top Copper w0.5: v1(4.249,17.886) v1(4.249,17.886) 4.21,17.844 C10.1@4.21,16.95 C14.1@5.75,16.95
  Top Copper w0.8: v1(4.249,17.886) 4.249,18.968 v1(4.823,19.542) 6.105,20.824 6.105,28.361 J1.12@10.919,33.175
  Bottom Copper w0.5: v1(4.249,17.886) 4.251,17.887 5.17,17.887 D8.3@5.399,18.117
  other v1: 4.274,18.696
ENV_SCL: R85.2 U12.15 | length 1.9
  Bottom Copper w0.152: R85.2@104.675,42.35 104.7,42.375 U12.15@104.7,44.212
ENV_SDA: R86.2 U12.16 | length 3.3
  Bottom Copper w0.15: R86.2@103.7,42.35 103.75,42.35 103.9,42.5 103.9,42.55 104.095,42.745 104.095,44.807 104.3,45.012 104.625,45.012 U12.16@104.637,45.025
EROUT: R12.1 R18.2 U1.3 U2.4 | length 16.6
  Top Copper w0.254: U1.3@30.273,10.425 30.273,11.572 30.324,11.623 v1(30.324,11.692) ; v1(40.841,15.668) 40.89,15.716 41.131,15.716 42.115,16.7 U2.4@42.115,16.83
  Bottom Copper w0.254: v1(30.324,11.692) 30.324,11.761 30.523,11.96 R12.1@30.523,12.975 30.523,13.025 31.248,13.75 R18.2@32.398,13.75 32.398,13.8 33.077,14.479 34.543,14.479 35.271,13.75 36.693,13.75 38.611,15.668 v1(40.841,15.668)
ESW_XI: C110.2 R88.1 U7.B10 X2.3 | length 9.9
  Top Copper w0.127: U7.B10@32.775,36.45 33.225,36.45 33.775,35.9 v3(33.788,35.9)
  Bottom Copper w0.127: X2.3@25.65,36.62 26.28,36.62 26.518,36.382 C110.2@26.98,36.382 28.02,36.382 R88.1@28.07,36.332 28.189,36.214 28.511,36.214 28.85,35.875 32.475,35.875 32.75,36.15 33.482,36.15 33.732,35.9 v3(33.788,35.9)
ESW_XO: C111.2 R88.2 U7.B11 X2.1 | length 10.4
  Top Copper w0.127: U7.B11@32.775,35.95 33.092,35.95 33.311,35.731 v3(33.311,35.723)
  Bottom Copper w0.127: X2.1@24.35,34.92 24.35,35.02 25.015,35.685 26.577,35.685 C111.2@27.03,35.232 27.97,35.232 R88.2@28.07,35.332 28.532,35.332 28.846,35.646 32.57,35.646 32.646,35.723 v3(33.311,35.723) v3@33.295,35.707
FB_3V3: C31.1 R68.1 R69.2 U9.1 | length 3.5
  Top Copper w0.127: R68.1@73.95,6.625 73.95,6.575 74.539,5.987 74.689,5.987 74.85,5.825 R69.2@74.85,5.775 75.425,5.775 75.55,5.9 C31.1@75.55,5.92 76.823,5.92 76.9,5.997 U9.1@76.9,6
FILCAP0_15_0: C118.2 U7.A61 | length 1.7
  Top Copper w0.25: U7.A61@43.625,39.2 44.358,39.2 44.583,39.425 44.625,39.425 44.626,39.424 v3(44.626,39.421)
  Bottom Copper w0.25: v3(44.626,39.421) 44.626,39.425 C118.2@45.25,39.425
FILCAP0_15_1: C119.2 U7.A71 | length 1.7
  Top Copper w0.25: U7.A71@41.075,42.25 41.075,42.469 v3(41.075,43.35)
  Bottom Copper w0.25: C119.2@41.05,43.95 41.075,43.925 v3(41.075,43.35)
FILCAP_0: C120.2 U7.A3 | length 2.6
  Top Copper w0.2: U7.A3@32.025,40.7 32.086,40.7 32.11,40.723 32.11,40.747 32.24,40.877 32.24,41.159 32.4,41.319 v2(32.4,41.9)
  Bottom Copper w0.2: v2(32.4,41.9) C120.2@32.4,43.075
FILCAP_1: C127.2 U7.B62 | length 3.7
  Top Copper w0.25: v3(39.975,40.98) 39.975,41.022 40.325,41.372 U7.B62@40.325,41.5
  Bottom Copper w0.25: v3(39.975,40.98) 39.975,43 40.2,43.225 40.2,43.925 C127.2@40.175,43.95
FILCAP_2: C126.2 U7.B12 | length 1.5
  Top Copper w0.25: U7.B12@32.775,35.45 32.95,35.45 33.32,35.08 33.32,34.93 v3(33.35,34.9)
  Bottom Copper w0.25: C126.2@32.725,34.9 v3(33.35,34.9)
FILCAP_3: C125.2 U7.B18 | length 2.5
  Top Copper w0.25: U7.B18@32.775,32.45 33.125,32.45 33.845,33.17 33.845,33.545 v3(33.875,33.575)
  Bottom Copper w0.25: C125.2@33.85,32.9 33.863,32.913 33.863,33.563 v3(33.875,33.575)
FILCAP_4: C124.2 U7.B19 | length 1.2
  Top Copper w0.25: v3(32.775,31.425) U7.B19@32.775,31.95
  Bottom Copper w0.25: v3(32.775,31.425) 32.805,31.455 32.805,31.88 C124.2@32.925,32
FILCAP_5: C123.2 U7.A30 | length 1.5
  Top Copper w0.102: v6(36.075,29.95) 36.075,30.406 36.05,30.431 36.05,30.625 U7.A30@36.075,30.65
  Bottom Copper w0.2: C123.2@35.8,29.275 36.01,29.485 36.01,29.829 36.075,29.894 v6(36.075,29.95)
FILCAP_6: C122.2 U7.B31 | length 1.5
  Top Copper w0.102: U7.B31@38.825,31.4 38.825,31.752 v3@39.275,32.202
  Bottom Copper w0.102: v3(39.447,32.268) 39.507,32.268 C122.2@39.825,31.95
FILCAP_7: C121.2 U7.A39 | length 1.5
  Top Copper w0.25: U7.A39@40.575,30.65 40.575,30.092 40.725,29.942 v3(40.725,29.9)
  Bottom Copper w0.25: v3(40.725,29.9) 40.75,29.875 40.75,29.275 C121.2@40.775,29.25
FSIN1: J6.23 R79.2 | length 3.7
  Top Copper w0.15: R79.2@88.625,53.8 88.681,53.856 88.681,54.953 89.244,55.517 89.244,56.031 89.25,56.036 J6.23@89.25,57.275
FSIN2: J8.23 R80.2 | length 2.3
  Top Copper w0.152: J8.23@14.25,57.275 14.3,57.225 R80.2@14.3,54.95
FSIN3: J9.23 R81.2 | length 2.5
  Top Copper w0.152: R81.2@64.125,54.8 64.25,54.925 J9.23@64.25,57.275
FSIN4: J11.23 R77.2 | length 2.3
  Top Copper w0.152: R77.2@39.175,55.05 39.175,56.55 39.25,56.625 J11.23@39.25,57.275
FSIN_4LANE: R77.1 R81.1 R99.1 R101.1 U11.2 | length 104.5
  Top Copper w0.152: R101.1@7.475,45.3 7.475,45.35 7.624,45.499 7.674,45.499 8,45.825 10.325,45.825 14.45,49.95 24.475,49.95 24.625,49.8 28.5,49.8 32.15,53.45 R77.1@39.175,53.45 39.549,53.824 40.078,53.824 40.204,53.95 v1(40.3,53.95) 40.3,54.046 40.475,54.221 v1(40.475,56) ; v1(49.1,45.75) 49.1,43.554 49,43.454 49,41.1 v1(51.15,38.95) ; v1(63.275,53.225) 64.1,53.225 R81.1@64.125,53.2 ; v1(81.425,53.55) 81.425,54.373 U11.2@81.477,54.425
  Signal Layer 2 w0.152: v1(40.475,56) 45.45,56 48.4,53.05 53.975,53.05 54.15,53.225 v1(63.275,53.225) 65.584,53.225 65.791,53.432 71.64,53.432 72.528,52.543 80.418,52.543 v1(81.425,53.55)
  Bottom Copper w0.152: v1(40.3,53.95) 40.9,53.95 v1(49.1,45.75) ; v1(51.15,38.95) 51.218,38.882 51.218,38.607 51.625,38.2 R99.1@51.625,38.15